# Altium PCB RX.PcbDoc
Units mm, origin at the board's own origin, x right, y up, seen from the top; angles counter-clockwise.
Board outline 40 x 37 mm, 4 copper layers (Top Layer, Top Inner Layer, Bottom Inner Layer, Bottom Layer), stack 1.604 mm thick; 69 components, 57 nets, 268 pads, 108 vias.
Unrouted connection lines stored in the file: 45.
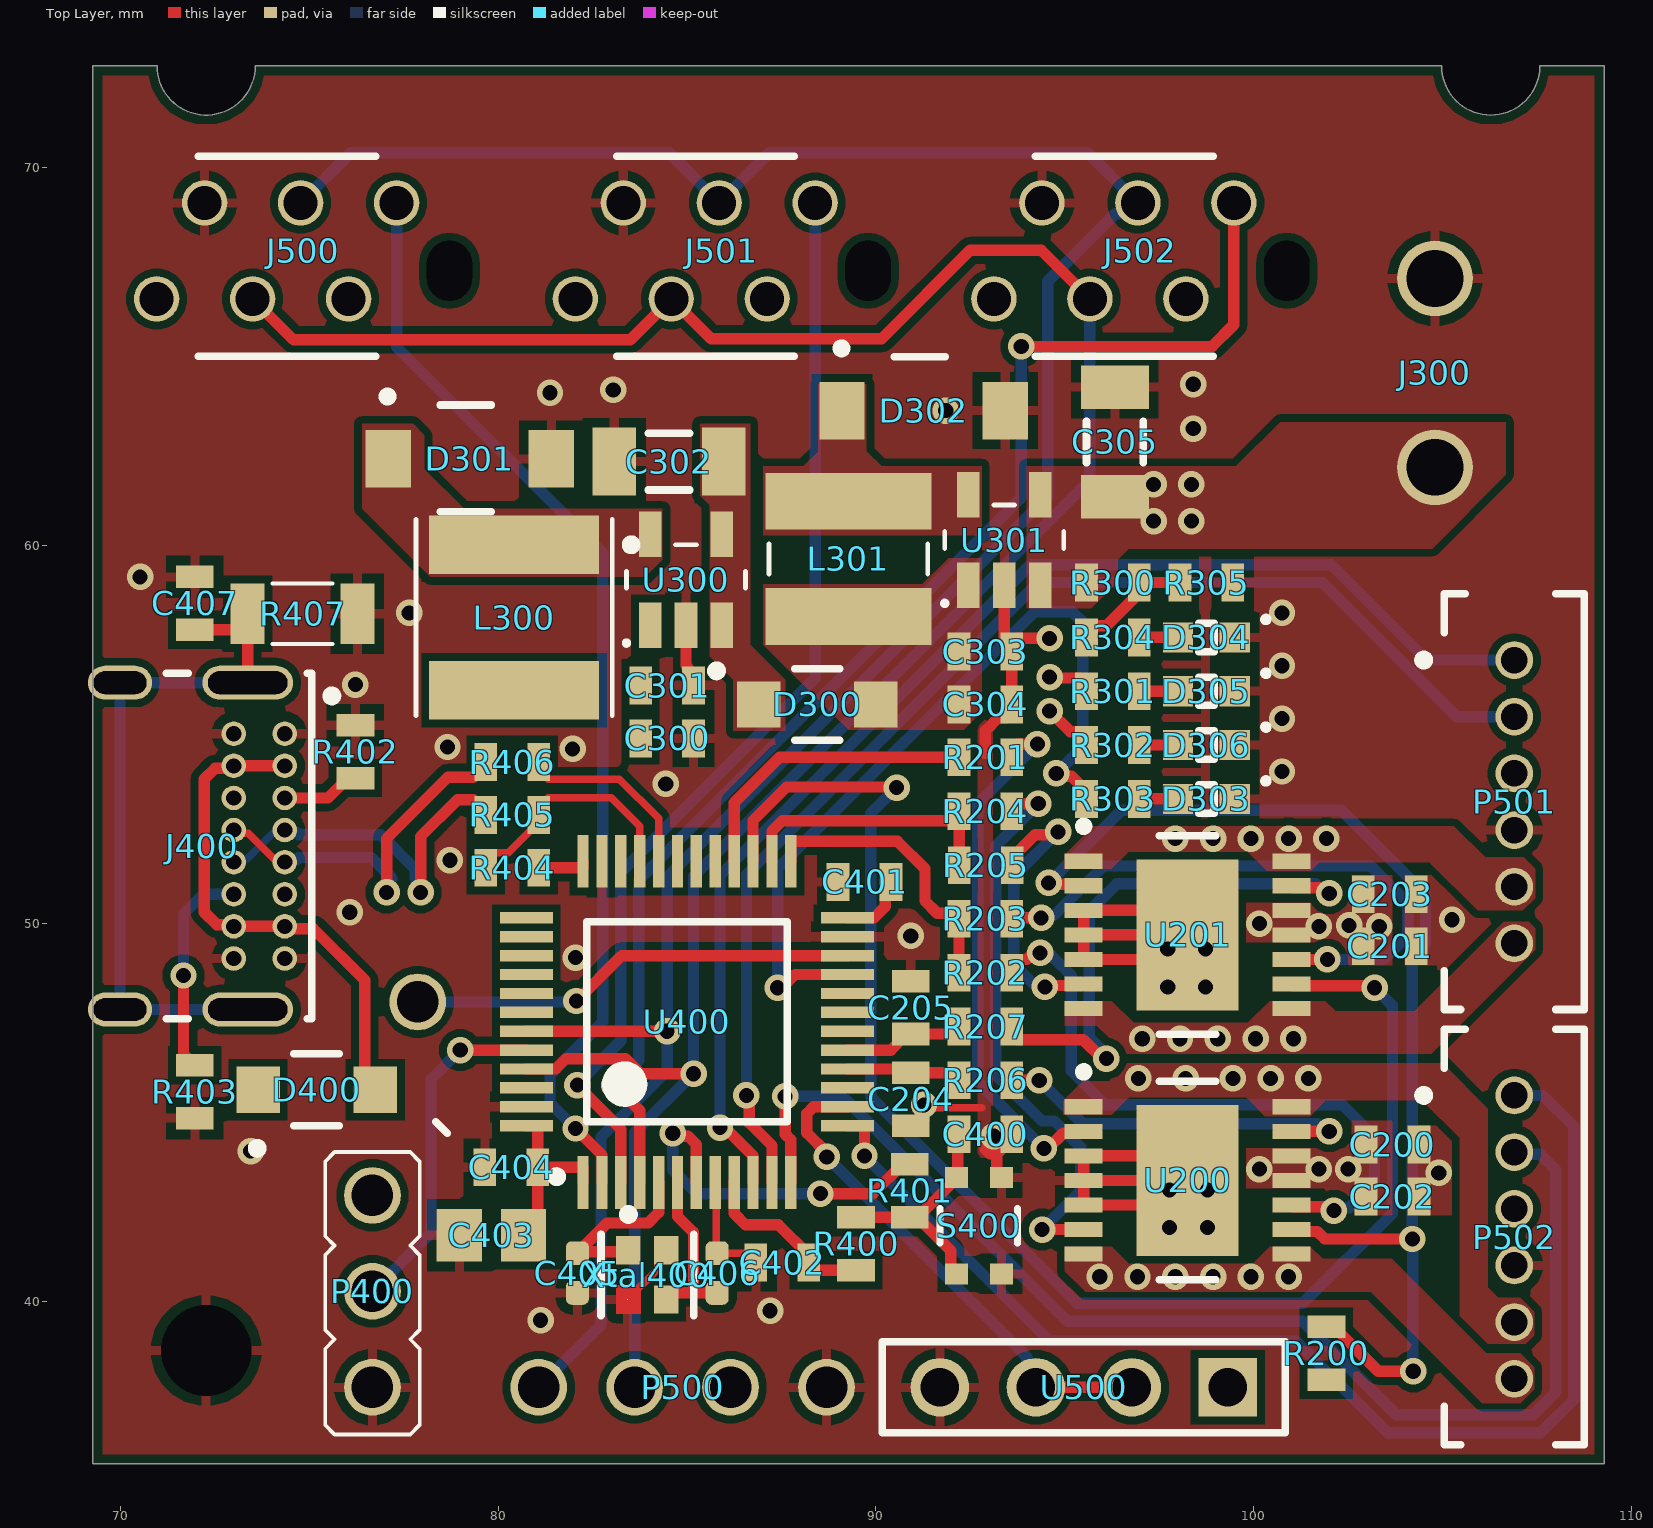
[diagram p0: Top Layer view]
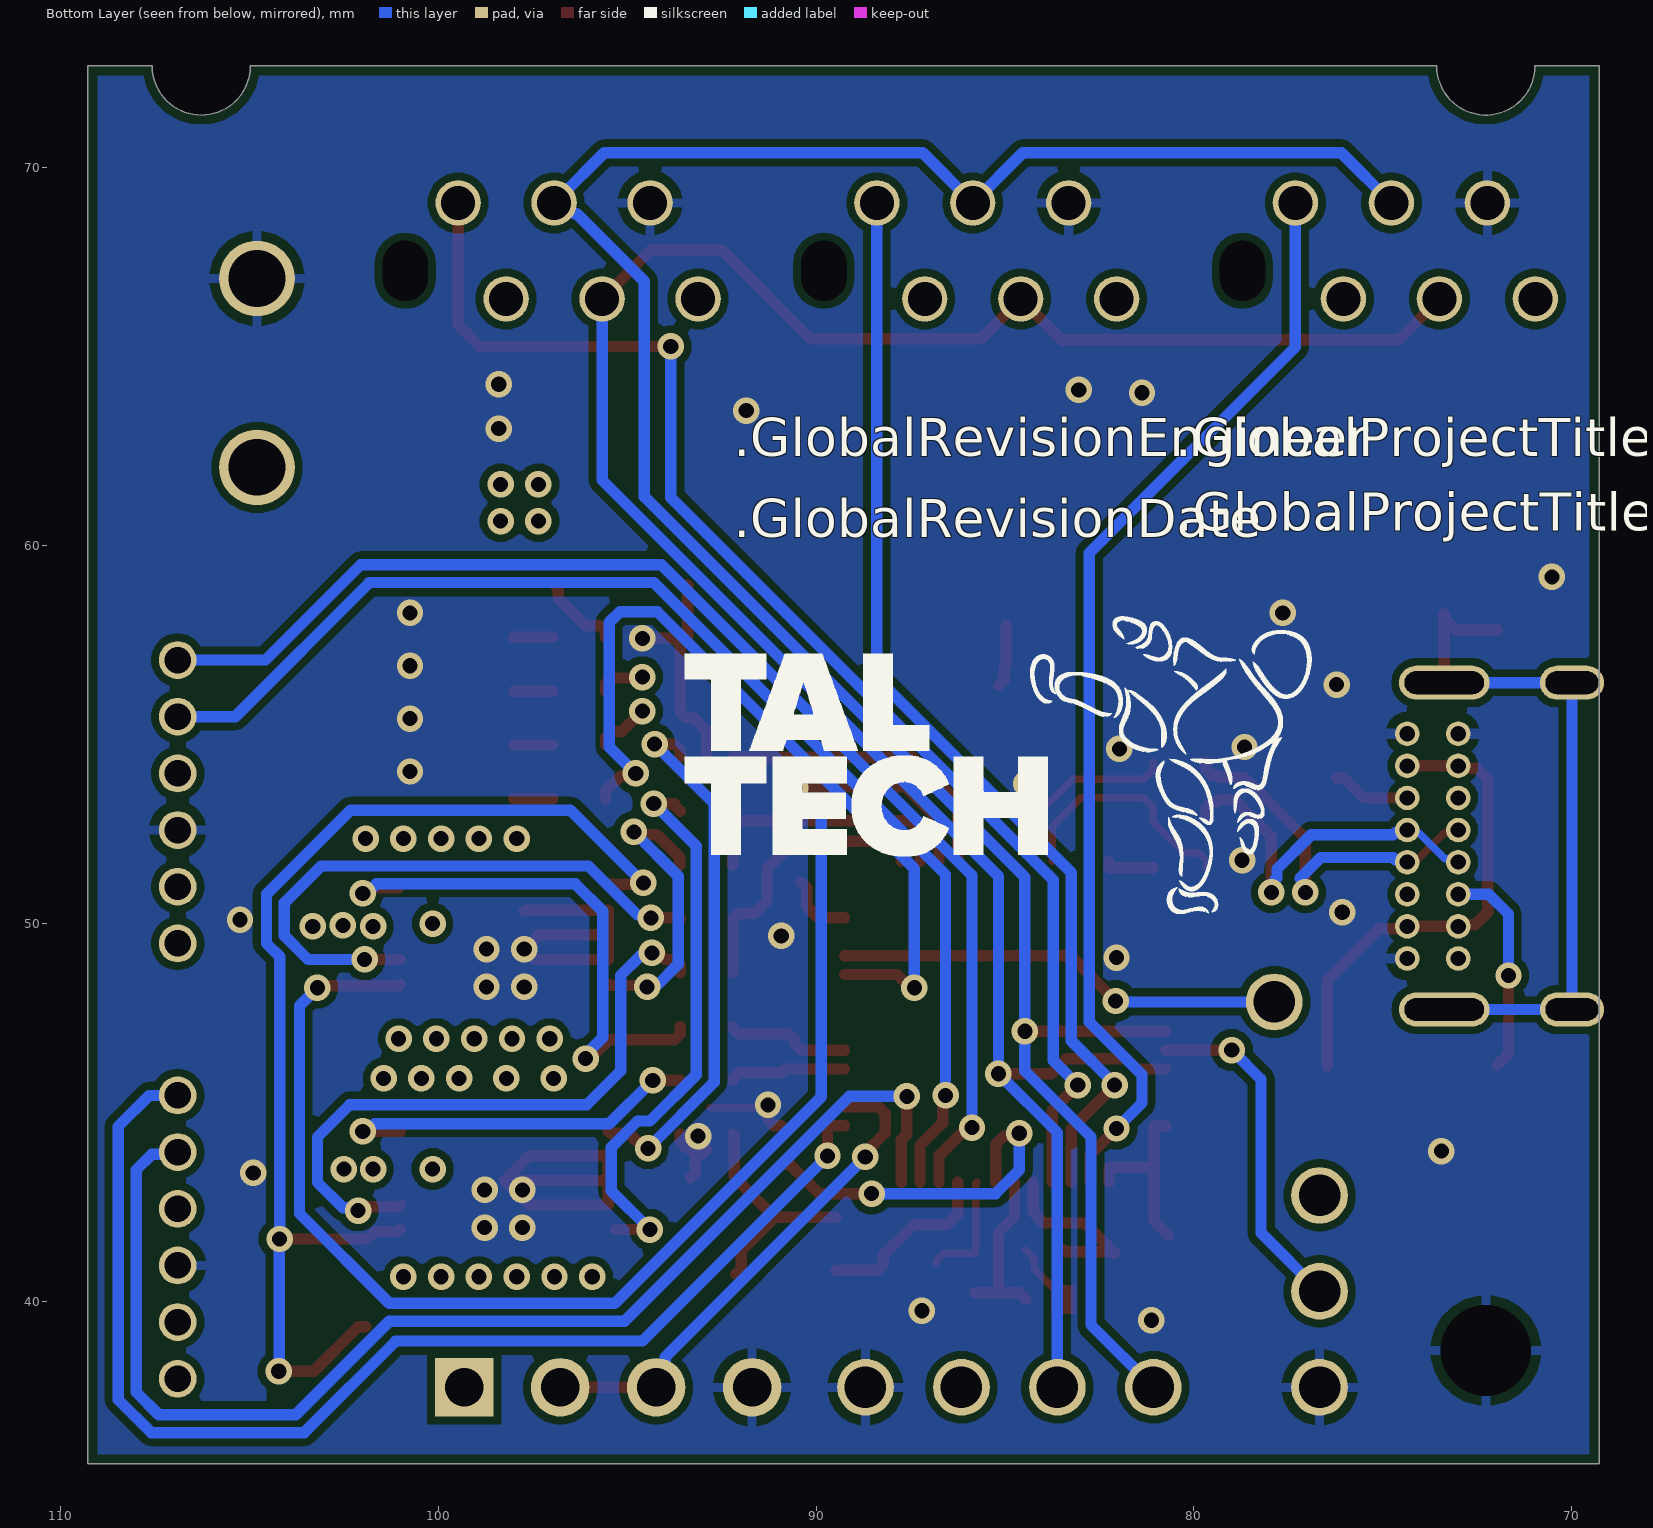
[diagram p1: Bottom Layer view, seen from below]
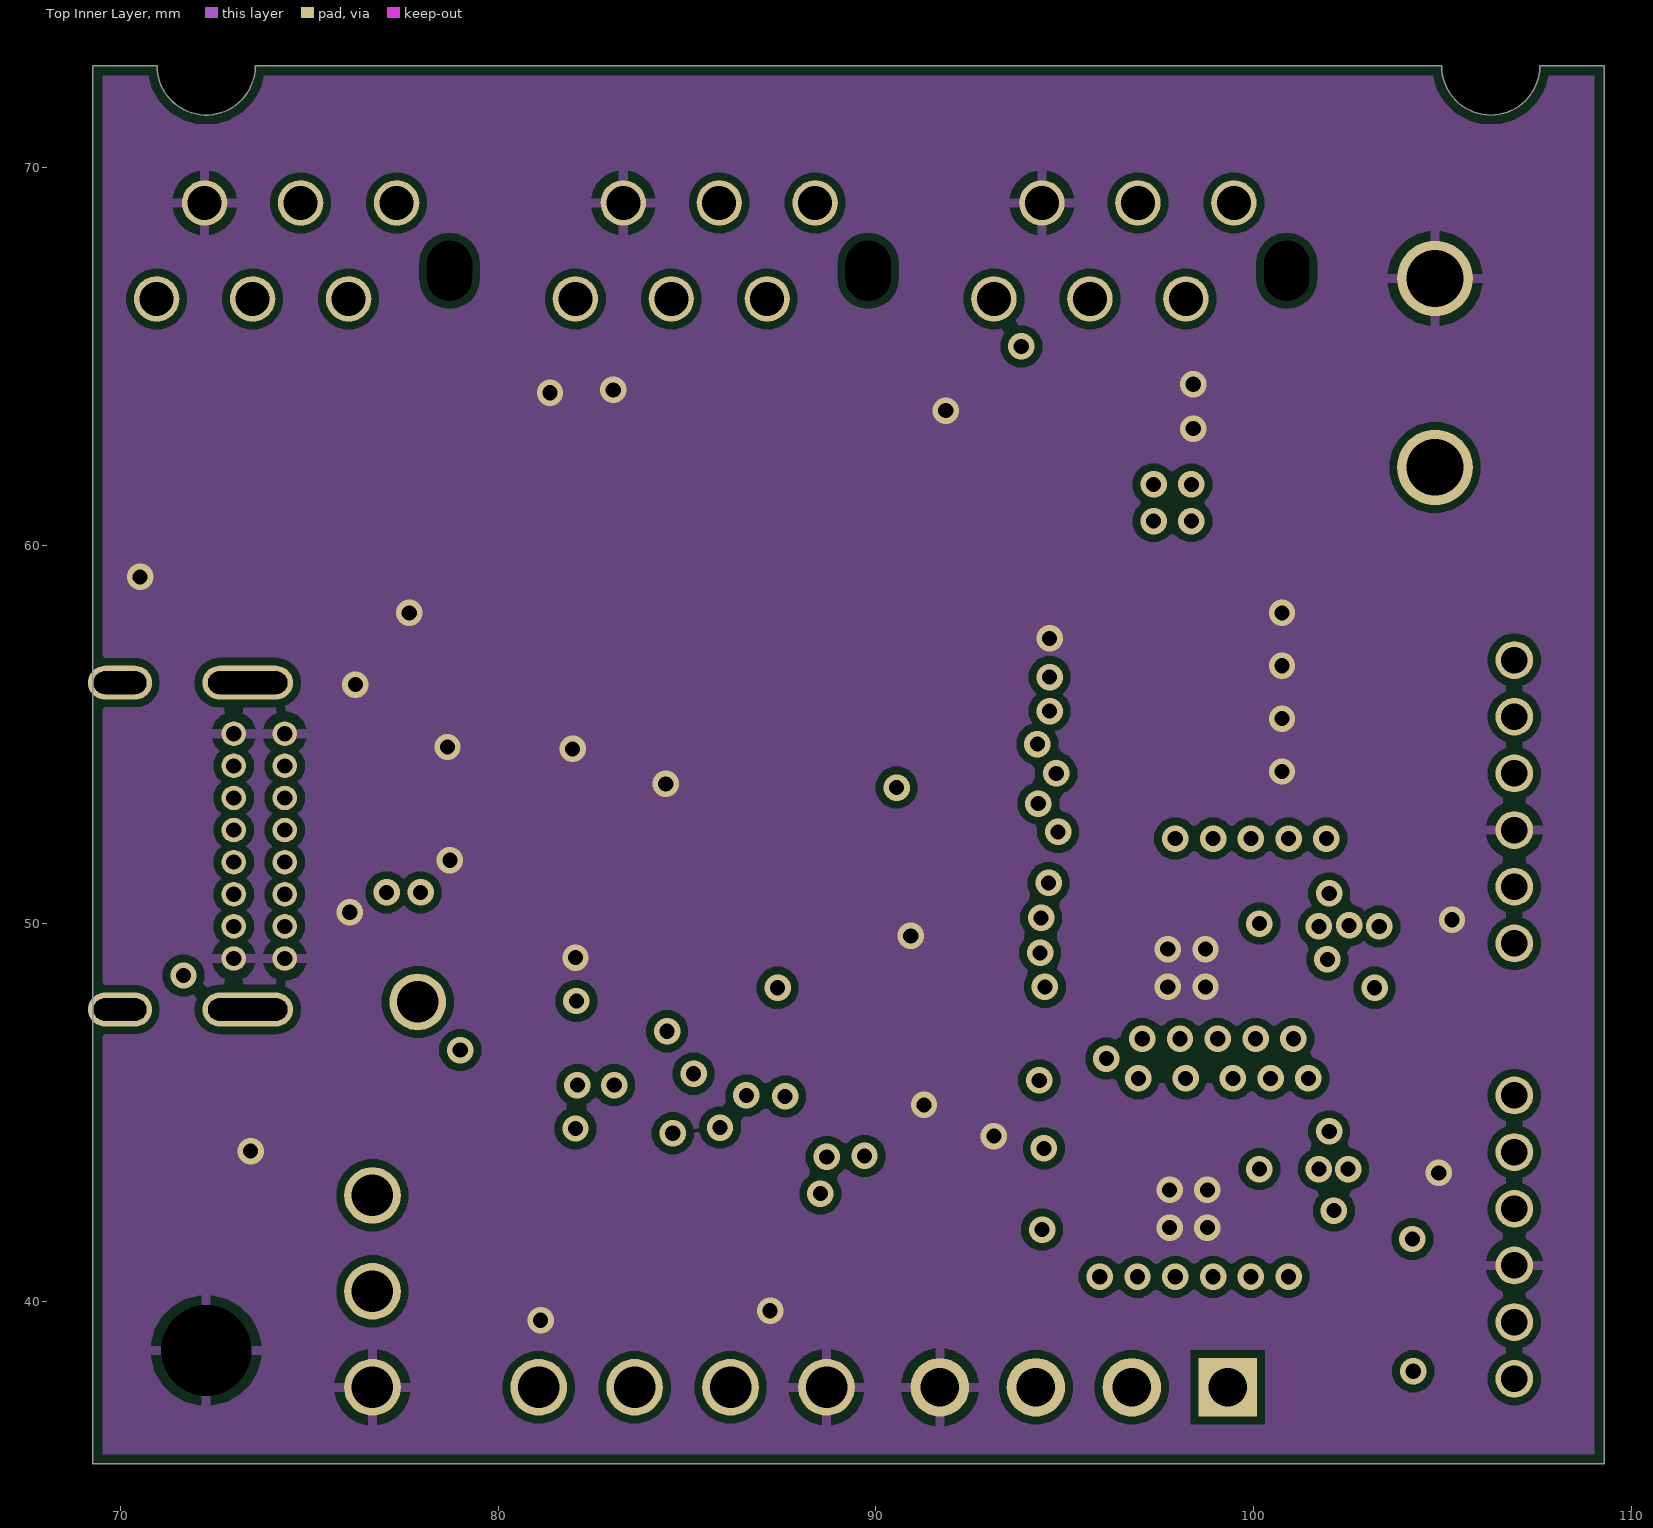
[diagram p2: Top Inner Layer]
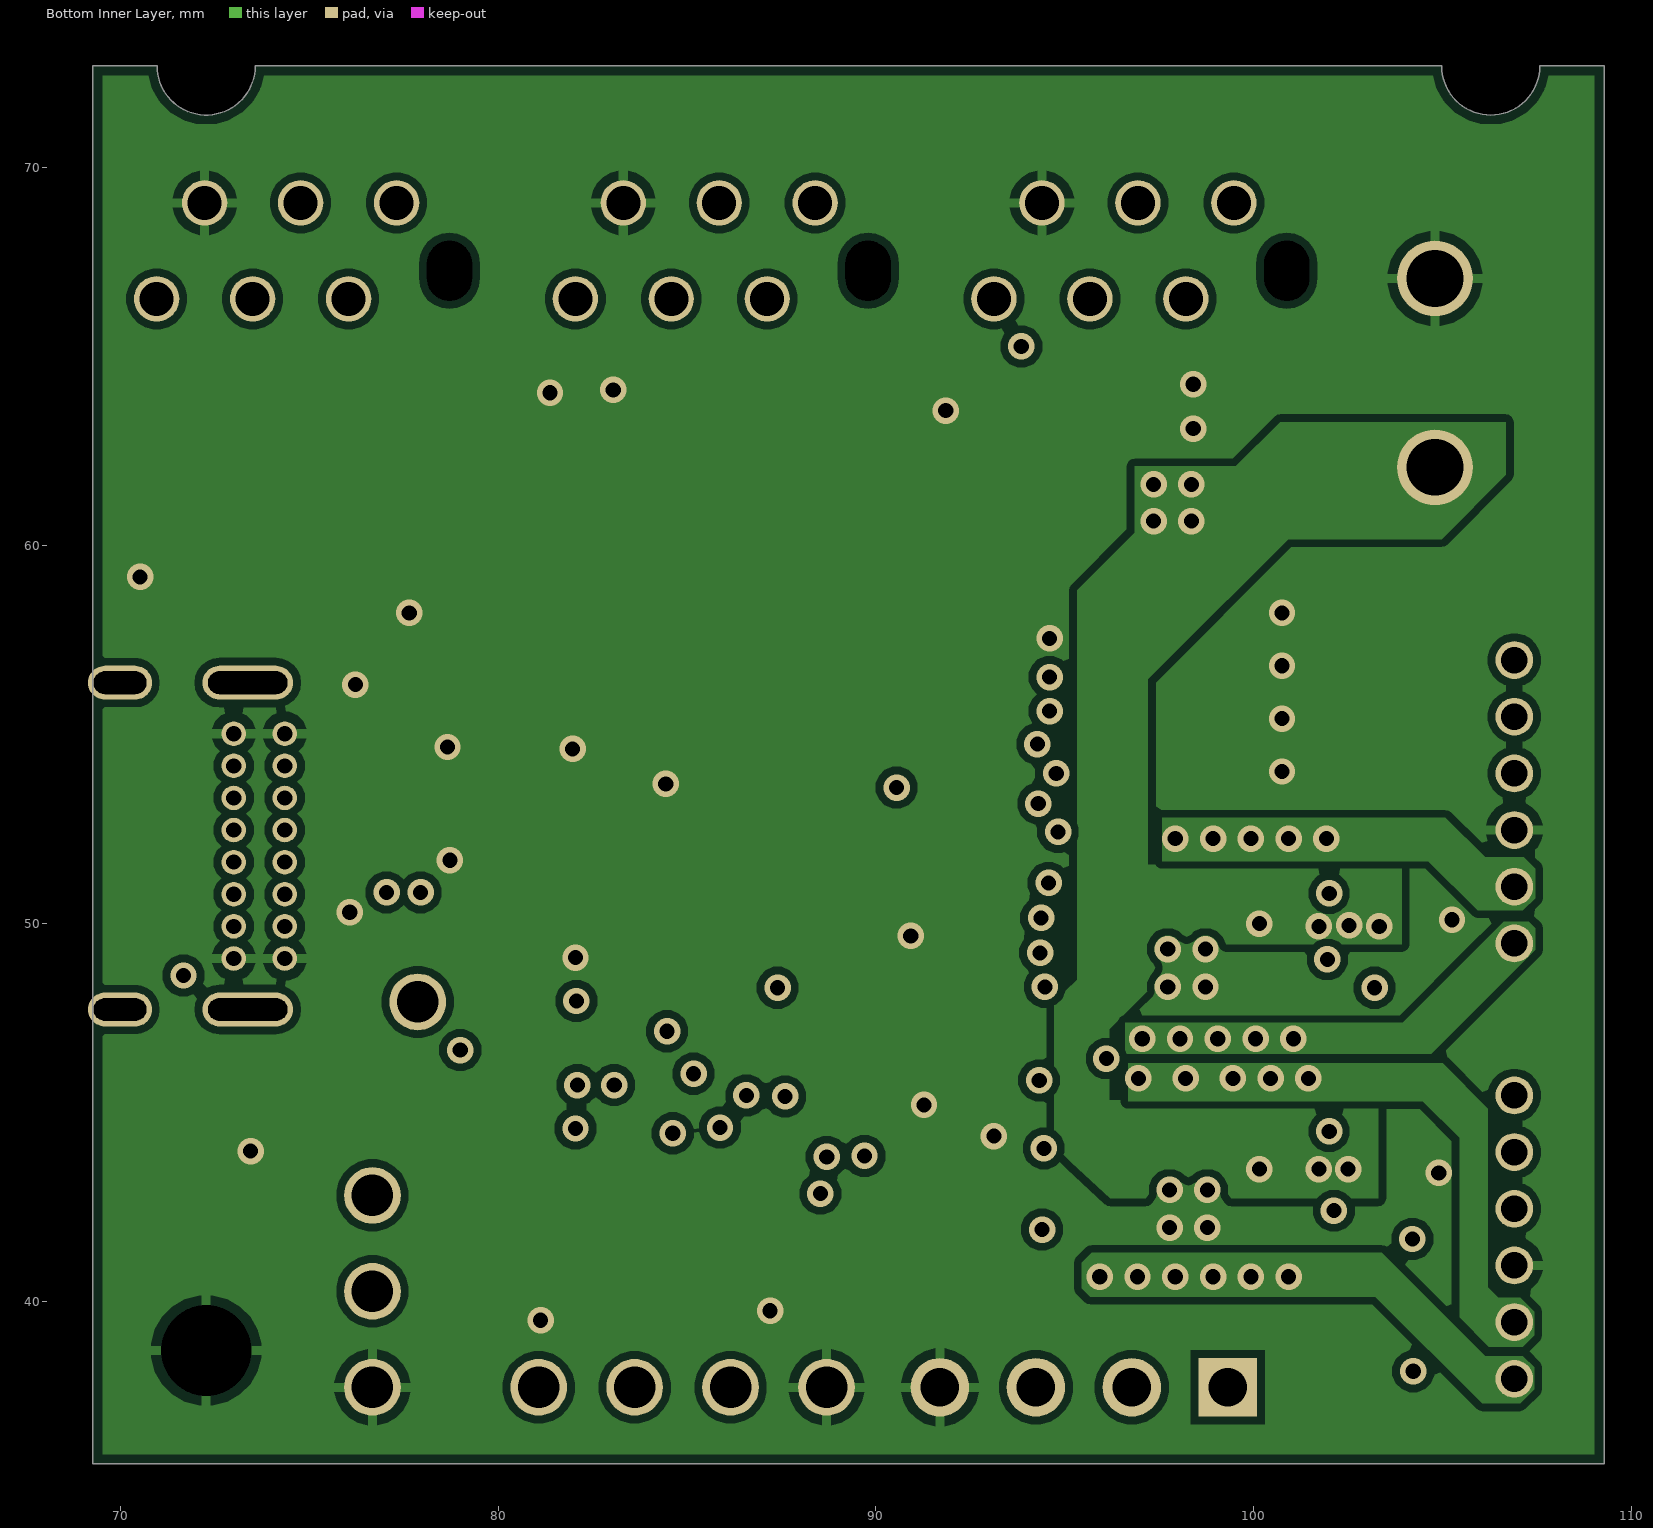
[diagram p3: Bottom Inner Layer]

## Layer stack, top to bottom
Top Solder: solder mask 0.0254, Solder Resist, Dk 3.8
Top Layer: signal copper 0.035
Dielectric 2: prepreg 0.0994, PP-006, Dk 4.1
Top Inner Layer: signal copper 0.035
Dielectric 1: dielectric 1.265, FR-4, Dk 4.8
Bottom Inner Layer: signal copper 0.035
Dielectric 3: prepreg 0.0994, PP-006, Dk 4.1
Bottom Layer: signal copper 0.035
Bottom Solder: solder mask 0.0254, Solder Resist, Dk 3.8

## Board outline
69.275,35.7 69.275,72.7 70.975,72.7 ccw(c72.275,72.7) 73.575,72.7 104.975,72.7 ccw(c106.275,72.7) 107.575,72.7 109.275,72.7 109.275,35.7

## Design rules (kind name [scope] priority, off if disabled: settings)
BoardOutlineClearance [All] p1: gap=0.254 ignorepadtopadclearanceinfootprint=FALSE except(0: Arc-SplitContinuation Track-SplitContinuation SMDPad-SplitContinuation THPad-SplitContinuation Via-SplitContinuation Fill-SplitContinuation Poly-SplitContinuation Region-SplitContinuation Text-SplitContinuation)
Clearance [All] p1: gap=0.2 ignorepadtopadclearanceinfootprint=TRUE except(0.1: Arc-SMDPad Track-SMDPad; 0.15: SMDPad-SMDPad; 0.16: Arc-Arc Arc-Track Track-Track; 0.3: Arc-THPad Track-THPad SMDPad-THPad THPad-THPad THPad-Via)
DiffPairsRouting [All] p1: maxlimit=0.4 minlimit=0.127 mostfreqgap=0.3 toplayer_mingap=0.2 toplayer_minwidth=0.2 toplayer_maxwidth=0.3 toplayer_prefwidth=0.25 midlayer1_maxgap=0.127 midlayer1_prefgap=0.127 midlayer1_minwidth=0.095 midlayer1_maxwidth=0.095 midlayer1_prefwidth=0.095 midlayer2_maxgap=0.127 midlayer2_prefgap=0.127 midlayer2_minwidth=0.095 midlayer2_maxwidth=0.095 midlayer2_prefwidth=0.095 bottomlayer_mingap=0.2 bottomlayer_minwidth=0.2 bottomlayer_maxwidth=0.3 bottomlayer_prefwidth=0.25 maxuncoupledlength=12.7
Height [All] p1: minheight=0 maxheight=30 prefheight=12.7
PlaneConnect [All] p1: pad.planeconnectstyle=Relief pad.reliefexpansion=0.508 pad.reliefentries=4 pad.reliefconductorwidth=0.254 pad.reliefairgap=0.254 via.planeconnectstyle=Direct via.reliefexpansion=0.508 via.reliefentries=4 via.reliefconductorwidth=0.254 via.reliefairgap=0.254
PolygonConnect MainPwr [All vs IsNamedPolygon('Main')] p1: connectstyle=Direct reliefconductorwidth=0.254 reliefentries=4 polygonreliefangle="90 Angle" airgapwidth=0.254
PolygonConnect [All] p2: thpad.connectstyle=Relief thpad.reliefconductorwidth=0.254 thpad.reliefentries=4 thpad.polygonreliefangle="90 Angle" thpad.airgapwidth=0.254 smdpad.connectstyle=Relief smdpad.reliefconductorwidth=0.254 smdpad.reliefentries=4 smdpad.polygonreliefangle="90 Angle" smdpad.airgapwidth=0.254 via.connectstyle=Direct via.reliefconductorwidth=0.254 via.reliefentries=4 via.polygonreliefangle="90 Angle" via.airgapwidth=0.254
RoutingVias [All] p1: holewidth=0.4 width=0.7 viastyle="Through Hole" minholewidth=0.3 minwidth=0.6 maxholewidth=1 maxwidth=1.5
SolderMaskExpansion [All] p1: expansion=0.102 istentingtop=FALSE
SupplyNets "Schematic Supply Nets_3" [InNet('+3V3')] p1: voltage=0.000
SupplyNets "Schematic Supply Nets_2" [InNet('+5V')] p2: voltage=0.000
SupplyNets "Schematic Supply Nets_1" [InNet('+12V')] p3: voltage=0.000
SupplyNets "Schematic Supply Nets" [InNet('GND')] p4: voltage=0.000
Width [All] p1: maxlimit=2 minlimit=0.16 preferedwidth=0.3
27 further rules are at their usual default settings.

## Classes and differential pairs
component class Power: C300 C301 C302 C303 C304 C305 D300 D301 D302 D303 D304 D305 D306 J300 L300 L301 R300 R301 R302 R303 R304 R305 U300 U301
component class "MCU and USB-C": C400 C401 C402 C403 C404 C405 C406 C407 D400 J400 P400 R400 R401 R402 R403 R404 R405 R406 R407 S400 U400 Xtal400
component class "Headers and Connectors": J500 J501 J502 P500 P501 P502 U500
component class "Motor driver": C200 C201 C202 C203 C204 C205 mx R200 R201 R202 R203 R204 R205 R206 R207 U200 U201
differential pair USB_D: +USB_D_P -USB_D_N
differential pair D: +D_P -D_N

## Components (designator, comment, footprint, x,y, rotation, side; value= is the part's Value field where it differs from the comment)
C200 "4.7u" MLCC_0603_M 103.675,44.15 r180 top value=4,7µF
C201 "4.7u" MLCC_0603_M 103.6,49.4 r180 top value=4,7µF
C202 "100n" MLCC_0603_M 103.675,42.775 r180 top value=100nF
C203 "100n" MLCC_0603_M 103.6,50.775 r180 top value=100nF
C204 "15p" MLCC_0603_M 90.925,45.35 r270 top value=15pF
C205 "15p" MLCC_0603_M 90.925,47.775 r90 top value=15pF
C300 "22u" MLCC_0603_M 84.475,54.9 r180 top value=22µF
C301 "22u" MLCC_0603_M 84.475,56.3 r180 top value=22µF
C302 "4.7u" MLCC_1206_M 84.525,62.225 r0 top value=4,7µF
C303 "22u" MLCC_0603_M 92.9,57.2 r180 top value=22µF
C304 "22u" MLCC_0603_M 92.9,55.8 r180 top value=22µF
C305 "4.7u" MLCC_1206_M 96.325,62.75 r270 top value=4,7µF
C400 "100n" MLCC_0603_M 92.9,44.425 r180 top value=100nF
C401 "100n" MLCC_0603_M 89.7,51.1 r180 top value=100nF
C402 "100n" MLCC_0603_M 87.525,41.025 r180 top value=100nF
C403 "4.7u" MLCC_0805_M 79.825,41.75 r0 top value=4.7µF
C404 "100n" MLCC_0603_M 80.35,43.55 r180 top value=100nF
C405 "15p" MLCC_0402_M 82.1,40.75 r90 top value=15pF
C406 "15p" MLCC_0402_M 85.8,40.75 r270 top value=15pF
C407 "1n" MLCC_0603_M 71.975,58.475 r270 top value=1nF
D300 "MBR1020VL_R1_00001" FP-MBR1020VL_R1_00001-MFG 88.45,55.8 r0 top
D301 "VSSAF3M10HM3/H" VSSAF3M10HM3_H-Footprint-1 79.25,62.3 r0 top
D302 "VSSAF3M10HM3/H" VSSAF3M10HM3_H-Footprint-1 91.265,63.575 r0 top
D303 "Red" "0603 RED LED" 98.75,53.3 r0 top
D304 "Red" "0603 RED LED" 98.75,57.575 r0 top
D305 "Red" "0603 RED LED" 98.75,56.15 r0 top
D306 "Red" "0603 RED LED" 98.75,54.725 r0 top
D400 "MBR1020VL_R1_00001" FP-MBR1020VL_R1_00001-MFG 75.2,45.6 r0 top
J300 "XT30U-F" XT30U-F 104.8,64.575 r180 top
J400 "USB4085-GF-A" FP-USB4085-GF-A-MFG 70.33,52.05 r270 top
J500 "7-215079-6" 7-215079-6-Footprint-1 70.965,66.535 r0 top
J501 "7-215079-6" 7-215079-6-Footprint-1 82.045,66.535 r0 top
J502 "7-215079-6" 7-215079-6-Footprint-1 93.125,66.535 r0 top
L300 "74404054330" WE-LQS_5040 80.425,58.1 r90 top value=33µH
L301 "74404043220A" WE-LQS_4025 89.275,59.65 r270 top value=22µH
P400 "M20-9990345" "3Pos Pin Header" 76.675,40.285 r90 top
P500 "PH1-04-UA" "4Pos Pin Header Vertical" 84.885,37.725 r180 top
P501 "B6B-ZR(LF)(SN)" FP-B6B-ZR-SM4-TF_LF_SN-MFG 106.9,53.225 r270 top
P502 "B6B-ZR(LF)(SN)" FP-B6B-ZR-SM4-TF_LF_SN-MFG 106.9,41.7 r270 top
R200 "2k" Resistor_0603_M 101.925,38.625 r270 top
R201 "22R" Resistor_0603_M 92.9,54.4 r0 top value=22
R202 "22R" Resistor_0603_M 92.9,48.7 r0 top value=22
R203 "22R" Resistor_0603_M 92.9,50.125 r0 top value=22
R204 "22R" Resistor_0603_M 92.9,52.975 r0 top value=22
R205 "22R" Resistor_0603_M 92.908,51.544 r0 top value=22
R206 "22R" Resistor_0603_M 92.9,45.85 r0 top value=22
R207 "22R" Resistor_0603_M 92.9,47.275 r0 top value=22
R300 "3k" Resistor_0603_M 96.275,59.025 r180 top
R301 "200R" Resistor_0603_M 96.275,56.15 r0 top value=200
R302 "200R" Resistor_0603_M 96.275,54.725 r0 top value=200
R303 "200R" Resistor_0603_M 96.275,53.3 r0 top value=200
R304 "200R" Resistor_0603_M 96.275,57.575 r0 top value=200
R305 "1k" Resistor_0603_M 98.75,59.025 r180 top
R400 "10k" Resistor_0603_M 89.475,41.525 r270 top
R401 "100R" Resistor_0603_M 90.9,42.925 r90 top value=100
R402 "5.1k" Resistor_0603_M 76.225,54.55 r90 top value=5,1k
R403 "5.1k" Resistor_0603_M 71.975,45.55 r90 top value=5,1k
R404 "1.5k" Resistor_0603_M 80.375,51.475 r0 top value=1,5k
R405 "22R" Resistor_0603_M 80.375,52.875 r0 top value=22
R406 "22R" Resistor_0603_M 80.375,54.275 r0 top value=22
R407 "1M" Resistor_1206_M 74.825,58.2 r0 top
S400 "USLPT2819DT4TR" USLPT2819DT4TR-Footprint-1 92.725,42 r270 top
U200 "BTM9011EPXUMA1" BTM9011EPXUMA1 98.25,43.2 r0 top
U201 "BTM9011EPXUMA1" BTM9011EPXUMA1 98.25,49.7 r0 top
U300 "RAA2118034GP3#JA0" P5_064B_MFG 84.975,59.1 r90 top
U301 "RAA2118054GP3#JA0" P5_064B_MFG 93.4,60.15 r90 top
U400 "STM32F103C8T6" STM-LQFP48_M 85,47.4 r90 top
U500 "XY-MK-5V RF" "2.54mm 4 POS XY-MK-5V RF" 99.315,37.725 r180 top
Xtal400 "ABM11-16.000MHZ-12-N1G-T" FP-ABM11-MFG 83.95,40.7 r270 top
